# KiCad board LED_Matrix_Phone_Case.kicad_pcb (continued)
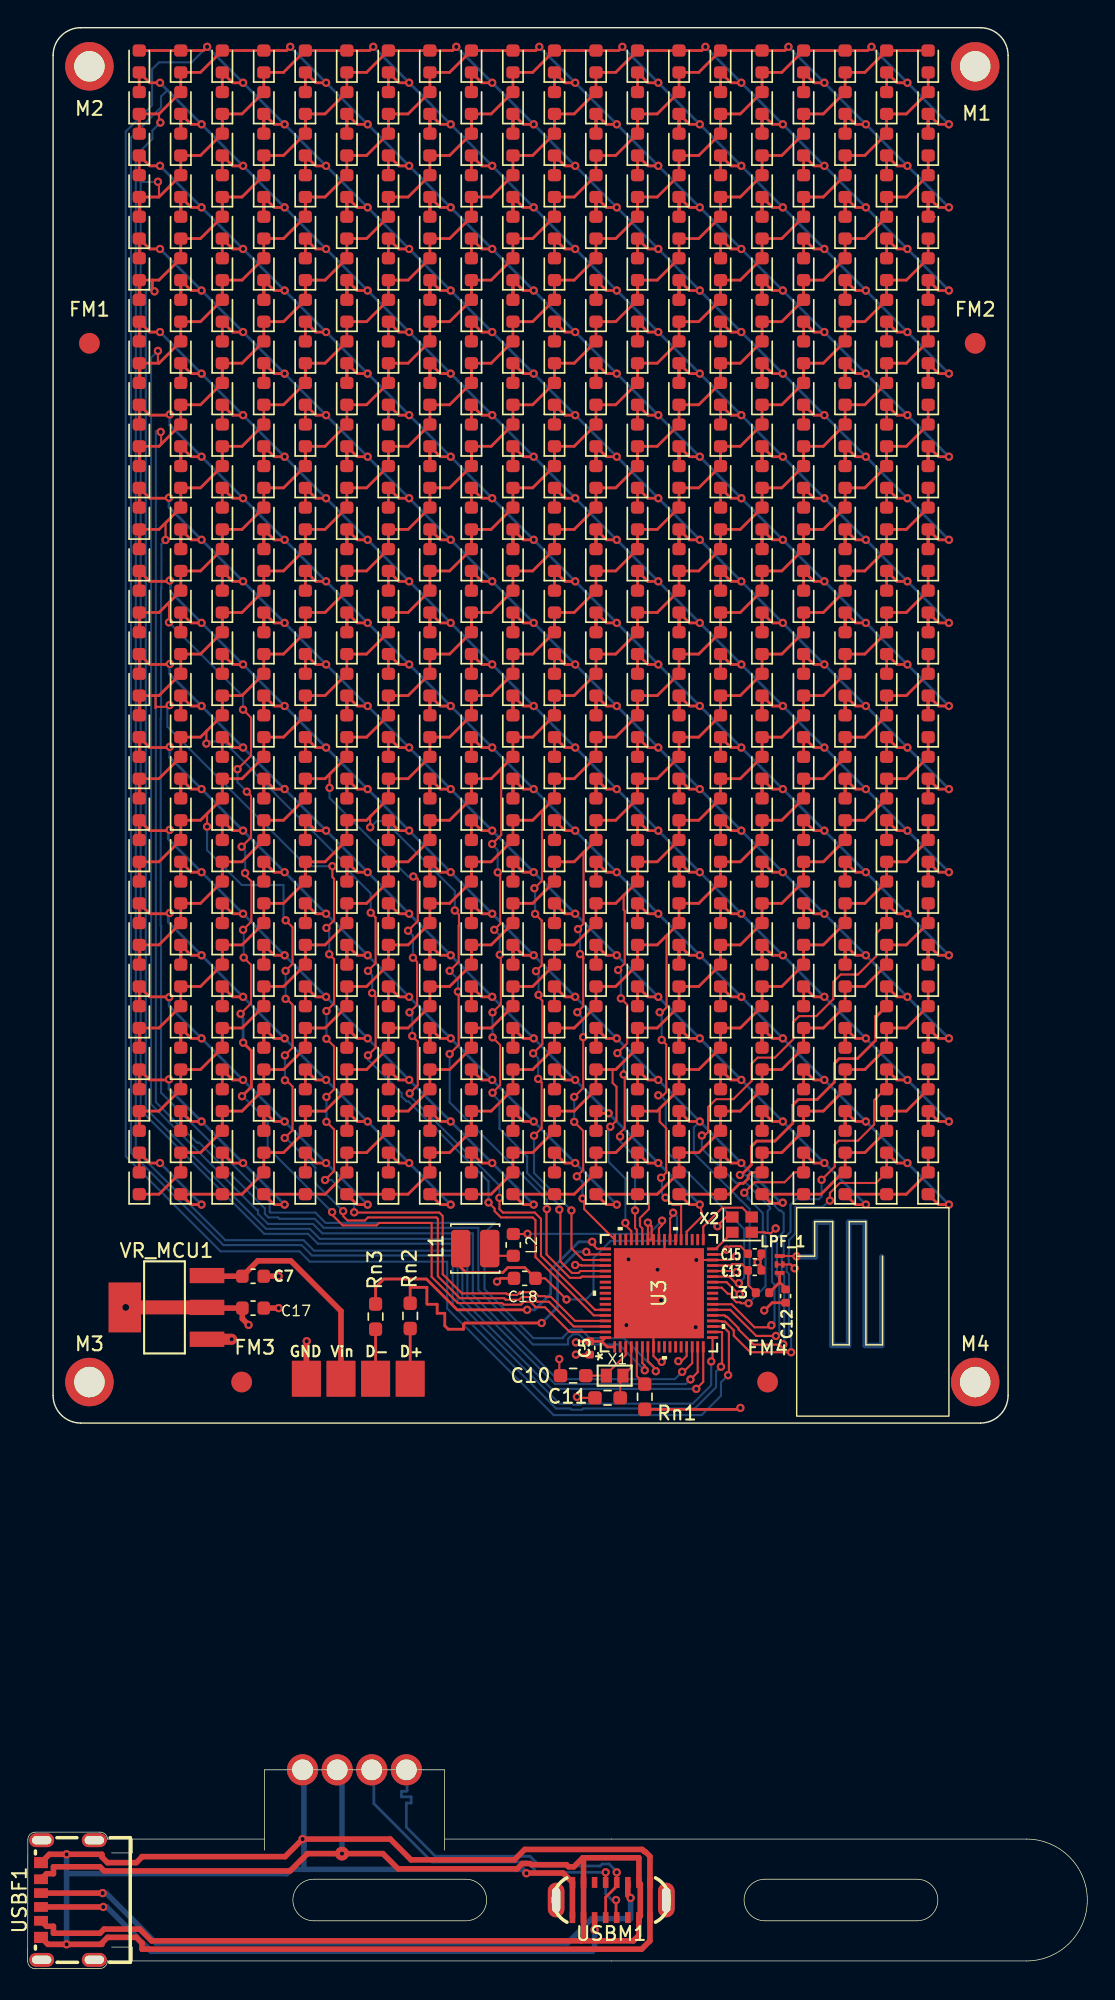
[diagram p0: board, top side]
## Placement (name value [footprint] x y rotation side) (continued)
REF**333  -  [D_0603_1608Metric]  26.06 86.71 90 top
REF**334  -  [D_0603_1608Metric]  29.06 86.71 90 top
REF**335  -  [D_0603_1608Metric]  26.06 89.71 90 top
REF**336  -  [D_0603_1608Metric]  29.06 89.71 90 top
REF**337  -  [D_0603_1608Metric]  32.06 86.71 90 top
REF**338  -  [D_0603_1608Metric]  35.06 86.71 90 top
REF**339  -  [D_0603_1608Metric]  32.06 89.71 90 top
REF**340  -  [D_0603_1608Metric]  35.06 89.71 90 top
REF**341  -  [D_0603_1608Metric]  38.06 86.71 90 top
REF**342  -  [D_0603_1608Metric]  41.06 86.71 90 top
REF**343  -  [D_0603_1608Metric]  38.06 89.71 90 top
REF**344  -  [D_0603_1608Metric]  41.06 89.71 90 top
REF**345  -  [D_0603_1608Metric]  44.06 86.71 90 top
REF**346  -  [D_0603_1608Metric]  47.06 86.71 90 top
REF**347  -  [D_0603_1608Metric]  44.06 89.71 90 top
REF**348  -  [D_0603_1608Metric]  47.06 89.71 90 top
REF**349  -  [D_0603_1608Metric]  50.06 86.71 90 top
REF**350  -  [D_0603_1608Metric]  53.06 86.71 90 top
REF**351  -  [D_0603_1608Metric]  50.06 89.71 90 top
REF**352  -  [D_0603_1608Metric]  53.06 89.71 90 top
REF**353  -  [D_0603_1608Metric]  56.06 86.71 90 top
REF**354  -  [D_0603_1608Metric]  59.06 86.71 90 top
REF**355  -  [D_0603_1608Metric]  56.06 89.71 90 top
REF**356  -  [D_0603_1608Metric]  59.06 89.71 90 top
REF**357  -  [D_0603_1608Metric]  62.06 86.71 90 top
REF**358  -  [D_0603_1608Metric]  65.06 86.71 90 top
REF**359  -  [D_0603_1608Metric]  62.06 89.71 90 top
REF**360  -  [D_0603_1608Metric]  65.06 89.71 90 top
REF**361  -  [D_0603_1608Metric]  8.06 80.71 90 top
REF**362  -  [D_0603_1608Metric]  11.06 80.71 90 top
REF**363  -  [D_0603_1608Metric]  8.06 83.71 90 top
REF**364  -  [D_0603_1608Metric]  11.06 83.71 90 top
REF**365  -  [D_0603_1608Metric]  14.06 80.71 90 top
REF**366  -  [D_0603_1608Metric]  17.06 80.71 90 top
REF**367  -  [D_0603_1608Metric]  14.06 83.71 90 top
REF**368  -  [D_0603_1608Metric]  17.06 83.71 90 top
REF**369  -  [D_0603_1608Metric]  20.06 80.71 90 top
REF**370  -  [D_0603_1608Metric]  23.06 80.71 90 top
REF**371  -  [D_0603_1608Metric]  20.06 83.71 90 top
REF**372  -  [D_0603_1608Metric]  23.06 83.71 90 top
REF**373  -  [D_0603_1608Metric]  26.06 80.71 90 top
REF**374  -  [D_0603_1608Metric]  29.06 80.71 90 top
REF**375  -  [D_0603_1608Metric]  26.06 83.71 90 top
REF**376  -  [D_0603_1608Metric]  29.06 83.71 90 top
REF**377  -  [D_0603_1608Metric]  32.06 80.71 90 top
REF**378  -  [D_0603_1608Metric]  35.06 80.71 90 top
REF**379  -  [D_0603_1608Metric]  32.06 83.71 90 top
REF**380  -  [D_0603_1608Metric]  35.06 83.71 90 top
REF**381  -  [D_0603_1608Metric]  38.06 80.71 90 top
REF**382  -  [D_0603_1608Metric]  41.06 80.71 90 top
REF**383  -  [D_0603_1608Metric]  38.06 83.71 90 top
REF**384  -  [D_0603_1608Metric]  41.06 83.71 90 top
REF**385  -  [D_0603_1608Metric]  44.06 80.71 90 top
REF**386  -  [D_0603_1608Metric]  47.06 80.71 90 top
REF**387  -  [D_0603_1608Metric]  44.06 83.71 90 top
REF**388  -  [D_0603_1608Metric]  47.06 83.71 90 top
REF**389  -  [D_0603_1608Metric]  50.06 80.71 90 top
REF**390  -  [D_0603_1608Metric]  53.06 80.71 90 top
REF**391  -  [D_0603_1608Metric]  50.06 83.71 90 top
REF**392  -  [D_0603_1608Metric]  53.06 83.71 90 top
REF**393  -  [D_0603_1608Metric]  56.06 80.71 90 top
REF**394  -  [D_0603_1608Metric]  59.06 80.71 90 top
REF**395  -  [D_0603_1608Metric]  56.06 83.71 90 top
REF**396  -  [D_0603_1608Metric]  59.06 83.71 90 top
REF**397  -  [D_0603_1608Metric]  62.06 80.71 90 top
REF**398  -  [D_0603_1608Metric]  65.06 80.71 90 top
REF**399  -  [D_0603_1608Metric]  62.06 83.71 90 top
REF**400  -  [D_0603_1608Metric]  65.06 83.71 90 top
REF**401  -  [D_0603_1608Metric]  8.06 74.71 90 top
REF**402  -  [D_0603_1608Metric]  11.06 74.71 90 top
REF**403  -  [D_0603_1608Metric]  8.06 77.71 90 top
REF**404  -  [D_0603_1608Metric]  11.06 77.71 90 top
REF**405  -  [D_0603_1608Metric]  14.06 74.71 90 top
REF**406  -  [D_0603_1608Metric]  17.06 74.71 90 top
REF**407  -  [D_0603_1608Metric]  14.06 77.71 90 top
REF**408  -  [D_0603_1608Metric]  17.06 77.71 90 top
REF**409  -  [D_0603_1608Metric]  20.06 74.71 90 top
REF**410  -  [D_0603_1608Metric]  23.06 74.71 90 top
REF**411  -  [D_0603_1608Metric]  20.06 77.71 90 top
REF**412  -  [D_0603_1608Metric]  23.06 77.71 90 top
REF**413  -  [D_0603_1608Metric]  26.06 74.71 90 top
REF**414  -  [D_0603_1608Metric]  29.06 74.71 90 top
REF**415  -  [D_0603_1608Metric]  26.06 77.71 90 top
REF**416  -  [D_0603_1608Metric]  29.06 77.71 90 top
REF**417  -  [D_0603_1608Metric]  32.06 74.71 90 top
REF**418  -  [D_0603_1608Metric]  35.06 74.71 90 top
REF**419  -  [D_0603_1608Metric]  32.06 77.71 90 top
REF**420  -  [D_0603_1608Metric]  35.06 77.71 90 top
REF**421  -  [D_0603_1608Metric]  38.06 74.71 90 top
REF**422  -  [D_0603_1608Metric]  41.06 74.71 90 top
REF**423  -  [D_0603_1608Metric]  38.06 77.71 90 top
REF**424  -  [D_0603_1608Metric]  41.06 77.71 90 top
REF**425  -  [D_0603_1608Metric]  44.06 74.71 90 top
REF**426  -  [D_0603_1608Metric]  47.06 74.71 90 top
REF**427  -  [D_0603_1608Metric]  44.06 77.71 90 top
REF**428  -  [D_0603_1608Metric]  47.06 77.71 90 top
REF**429  -  [D_0603_1608Metric]  50.06 74.71 90 top
REF**430  -  [D_0603_1608Metric]  53.06 74.71 90 top
REF**431  -  [D_0603_1608Metric]  50.06 77.71 90 top
REF**432  -  [D_0603_1608Metric]  53.06 77.71 90 top
REF**433  -  [D_0603_1608Metric]  56.06 74.71 90 top
REF**434  -  [D_0603_1608Metric]  59.06 74.71 90 top
REF**435  -  [D_0603_1608Metric]  56.06 77.71 90 top
REF**436  -  [D_0603_1608Metric]  59.06 77.71 90 top
REF**437  -  [D_0603_1608Metric]  62.06 74.71 90 top
REF**438  -  [D_0603_1608Metric]  65.06 74.71 90 top
REF**439  -  [D_0603_1608Metric]  62.06 77.71 90 top
REF**440  -  [D_0603_1608Metric]  65.06 77.71 90 top
REF**441  -  [D_0603_1608Metric]  8.06 68.71 90 top
REF**442  -  [D_0603_1608Metric]  11.06 68.71 90 top
REF**443  -  [D_0603_1608Metric]  8.06 71.71 90 top
REF**444  -  [D_0603_1608Metric]  11.06 71.71 90 top
REF**445  -  [D_0603_1608Metric]  14.06 68.71 90 top
REF**446  -  [D_0603_1608Metric]  17.06 68.71 90 top
REF**447  -  [D_0603_1608Metric]  14.06 71.71 90 top
REF**448  -  [D_0603_1608Metric]  17.06 71.71 90 top
REF**449  -  [D_0603_1608Metric]  20.06 68.71 90 top
REF**450  -  [D_0603_1608Metric]  23.06 68.71 90 top
REF**451  -  [D_0603_1608Metric]  20.06 71.71 90 top
REF**452  -  [D_0603_1608Metric]  23.06 71.71 90 top
REF**453  -  [D_0603_1608Metric]  26.06 68.71 90 top
REF**454  -  [D_0603_1608Metric]  29.06 68.71 90 top
REF**455  -  [D_0603_1608Metric]  26.06 71.71 90 top
REF**456  -  [D_0603_1608Metric]  29.06 71.71 90 top
REF**457  -  [D_0603_1608Metric]  32.06 68.71 90 top
REF**458  -  [D_0603_1608Metric]  35.06 68.71 90 top
REF**459  -  [D_0603_1608Metric]  32.06 71.71 90 top
REF**460  -  [D_0603_1608Metric]  35.06 71.71 90 top
REF**461  -  [D_0603_1608Metric]  38.06 68.71 90 top
REF**462  -  [D_0603_1608Metric]  41.06 68.71 90 top
REF**463  -  [D_0603_1608Metric]  38.06 71.71 90 top
REF**464  -  [D_0603_1608Metric]  41.06 71.71 90 top
REF**465  -  [D_0603_1608Metric]  44.06 68.71 90 top
REF**466  -  [D_0603_1608Metric]  47.06 68.71 90 top
REF**467  -  [D_0603_1608Metric]  44.06 71.71 90 top
REF**468  -  [D_0603_1608Metric]  47.06 71.71 90 top
REF**469  -  [D_0603_1608Metric]  50.06 68.71 90 top
REF**470  -  [D_0603_1608Metric]  53.06 68.71 90 top
REF**471  -  [D_0603_1608Metric]  50.06 71.71 90 top
REF**472  -  [D_0603_1608Metric]  53.06 71.71 90 top
REF**473  -  [D_0603_1608Metric]  56.06 68.71 90 top
REF**474  -  [D_0603_1608Metric]  59.06 68.71 90 top
REF**475  -  [D_0603_1608Metric]  56.06 71.71 90 top
REF**476  -  [D_0603_1608Metric]  59.06 71.71 90 top
REF**477  -  [D_0603_1608Metric]  62.06 68.71 90 top
REF**478  -  [D_0603_1608Metric]  65.06 68.71 90 top
REF**479  -  [D_0603_1608Metric]  62.06 71.71 90 top
REF**480  -  [D_0603_1608Metric]  65.06 71.71 90 top
REF**481  -  [D_0603_1608Metric]  8.06 62.71 90 top
REF**482  -  [D_0603_1608Metric]  11.06 62.71 90 top
REF**483  -  [D_0603_1608Metric]  8.06 65.71 90 top
REF**484  -  [D_0603_1608Metric]  11.06 65.71 90 top
REF**485  -  [D_0603_1608Metric]  14.06 62.71 90 top
REF**486  -  [D_0603_1608Metric]  17.06 62.71 90 top
REF**487  -  [D_0603_1608Metric]  14.06 65.71 90 top
REF**488  -  [D_0603_1608Metric]  17.06 65.71 90 top
REF**489  -  [D_0603_1608Metric]  20.06 62.71 90 top
REF**490  -  [D_0603_1608Metric]  23.06 62.71 90 top
REF**491  -  [D_0603_1608Metric]  20.06 65.71 90 top
REF**492  -  [D_0603_1608Metric]  23.06 65.71 90 top
REF**493  -  [D_0603_1608Metric]  26.06 62.71 90 top
REF**494  -  [D_0603_1608Metric]  29.06 62.71 90 top
REF**495  -  [D_0603_1608Metric]  26.06 65.71 90 top
REF**496  -  [D_0603_1608Metric]  29.06 65.71 90 top
REF**497  -  [D_0603_1608Metric]  32.06 62.71 90 top
REF**498  -  [D_0603_1608Metric]  35.06 62.71 90 top
REF**499  -  [D_0603_1608Metric]  32.06 65.71 90 top
REF**500  -  [D_0603_1608Metric]  35.06 65.71 90 top
REF**501  -  [D_0603_1608Metric]  38.06 62.71 90 top
REF**502  -  [D_0603_1608Metric]  41.06 62.71 90 top
REF**503  -  [D_0603_1608Metric]  38.06 65.71 90 top
REF**504  -  [D_0603_1608Metric]  41.06 65.71 90 top
REF**505  -  [D_0603_1608Metric]  44.06 62.71 90 top
REF**506  -  [D_0603_1608Metric]  47.06 62.71 90 top
REF**507  -  [D_0603_1608Metric]  44.06 65.71 90 top
REF**508  -  [D_0603_1608Metric]  47.06 65.71 90 top
REF**509  -  [D_0603_1608Metric]  50.06 62.71 90 top
REF**510  -  [D_0603_1608Metric]  53.06 62.71 90 top
REF**511  -  [D_0603_1608Metric]  50.06 65.71 90 top
REF**512  -  [D_0603_1608Metric]  53.06 65.71 90 top
REF**513  -  [D_0603_1608Metric]  56.06 62.71 90 top
REF**514  -  [D_0603_1608Metric]  59.06 62.71 90 top
REF**515  -  [D_0603_1608Metric]  56.06 65.71 90 top
REF**516  -  [D_0603_1608Metric]  59.06 65.71 90 top
REF**517  -  [D_0603_1608Metric]  62.06 62.71 90 top
REF**518  -  [D_0603_1608Metric]  65.06 62.71 90 top
REF**519  -  [D_0603_1608Metric]  62.06 65.71 90 top
REF**520  -  [D_0603_1608Metric]  65.06 65.71 90 top
REF**521  -  [D_0603_1608Metric]  8.06 56.71 90 top
REF**522  -  [D_0603_1608Metric]  11.06 56.71 90 top
REF**523  -  [D_0603_1608Metric]  8.06 59.71 90 top
REF**524  -  [D_0603_1608Metric]  11.06 59.71 90 top
REF**525  -  [D_0603_1608Metric]  14.06 56.71 90 top
REF**526  -  [D_0603_1608Metric]  17.06 56.71 90 top
REF**527  -  [D_0603_1608Metric]  14.06 59.71 90 top
REF**528  -  [D_0603_1608Metric]  17.06 59.71 90 top
REF**529  -  [D_0603_1608Metric]  20.06 56.71 90 top
REF**530  -  [D_0603_1608Metric]  23.06 56.71 90 top
REF**531  -  [D_0603_1608Metric]  20.06 59.71 90 top
REF**532  -  [D_0603_1608Metric]  23.06 59.71 90 top
REF**533  -  [D_0603_1608Metric]  26.06 56.71 90 top
REF**534  -  [D_0603_1608Metric]  29.06 56.71 90 top
REF**535  -  [D_0603_1608Metric]  26.06 59.71 90 top
REF**536  -  [D_0603_1608Metric]  29.06 59.71 90 top
REF**537  -  [D_0603_1608Metric]  32.06 56.71 90 top
REF**538  -  [D_0603_1608Metric]  35.06 56.71 90 top
REF**539  -  [D_0603_1608Metric]  32.06 59.71 90 top
REF**540  -  [D_0603_1608Metric]  35.06 59.71 90 top
REF**541  -  [D_0603_1608Metric]  38.06 56.71 90 top
REF**542  -  [D_0603_1608Metric]  41.06 56.71 90 top
REF**543  -  [D_0603_1608Metric]  38.06 59.71 90 top
REF**544  -  [D_0603_1608Metric]  41.06 59.71 90 top
REF**545  -  [D_0603_1608Metric]  44.06 56.71 90 top
REF**546  -  [D_0603_1608Metric]  47.06 56.71 90 top
REF**547  -  [D_0603_1608Metric]  44.06 59.71 90 top
REF**548  -  [D_0603_1608Metric]  47.06 59.71 90 top
REF**549  -  [D_0603_1608Metric]  50.06 56.71 90 top
REF**550  -  [D_0603_1608Metric]  53.06 56.71 90 top
REF**551  -  [D_0603_1608Metric]  50.06 59.71 90 top
REF**552  -  [D_0603_1608Metric]  53.06 59.71 90 top
REF**553  -  [D_0603_1608Metric]  56.06 56.71 90 top
REF**554  -  [D_0603_1608Metric]  59.06 56.71 90 top
REF**555  -  [D_0603_1608Metric]  56.06 59.71 90 top
REF**556  -  [D_0603_1608Metric]  59.06 59.71 90 top
REF**#2  -  [D_0603_1608Metric]  65.06 59.71 90 top
REF**#3  -  [D_0603_1608Metric]  62.06 59.71 90 top
REF**#4  -  [D_0603_1608Metric]  65.06 56.71 90 top
REF**#5  -  [D_0603_1608Metric]  62.06 56.71 90 top
Rn1  0.0Ω  [R_0603_1608Metric_Pad0.98x0.95mm_HandSolder]  44.59 41.3 90 top
Rn2  0.0Ω  [R_0603_1608Metric_Pad0.98x0.95mm_HandSolder]  27.64 47.14 90 top
Rn3  0.0Ω  [R_0603_1608Metric_Pad0.98x0.95mm_HandSolder]  25.14 47.09 90 top
U3  STM32WB55RGV6  [VFQFN68-8x8mm-L]  45.61 48.77 90 top
USBF1  ~  [TYPE-C-SMD_HANXIA_HX-TYPE-C-6P-SY]  2.89 4.96 90 top
USBM1  ~  [USB-C Male 918-118A2021Y40006]  42.16 4.96 180 top
VR_MCU1  ~  [SOT-223-3_L6.5-W3.4-P2.30-LS7.0-BR]  9.99 47.75 0 top
X1  32.768KHz  [CRYSTAL-SMD_L1.6-W1.0]  42.41 42.82 180 top
X2  32MHz  [Crystal_SMD_2016-4Pin_2.0x1.6mm]  51.61 53.72 0 top

## Library data of the parts
C5 C15 = -: Datasheet: https://jlcpcb.com/partdetail/1876-0402B103K500NT/C1524; Description: Unpolarized capacitor, small symbol; ki_fp_filters: C_*
C7 C17 C18 = -: Datasheet: https://jlcpcb.com/partdetail/2057-CL10A475KP8NNNC/C1705; Description: Unpolarized capacitor, small symbol; ki_fp_filters: C_*
C10 C11 = -: Datasheet: https://jlcpcb.com/partdetail/HKR_Hong_Kong_Resistors-RCT030RLF/C177335; Description: Unpolarized capacitor, small symbol; ki_fp_filters: C_*
C12 = -: Datasheet: https://jlcpcb.com/partdetail/MurataElectronics-GJM1555C1HR30WB01D/C76909; Description: Unpolarized capacitor; ki_fp_filters: C_*
C13 = -: Datasheet: https://jlcpcb.com/partdetail/41442-0402CG0R8C500NT/C40459; Description: Unpolarized capacitor; ki_fp_filters: C_*
FM1-FM4 = -: Description: Fiducial Marker; ki_fp_filters: Fiducial*
L1 = -: Datasheet: https://jlcpcb.com/partdetail/CENKER-CKCS3015_10uHM/C354566; Description: Inductor, small symbol; ki_fp_filters: Choke_* *Coil* Inductor_* L_*
L2 = -: Datasheet: https://jlcpcb.com/partdetail/Sunlord-SDCL1608C10NJTDF/C15666; Description: Inductor, small symbol; ki_fp_filters: Choke_* *Coil* Inductor_* L_*
L3 = -: Datasheet: https://jlcpcb.com/partdetail/Sunlord-SDCL1005C2N7STDF/C27123; Description: Inductor; ki_fp_filters: Choke_* *Coil* Inductor_* L_*
LPF_1 = -: Datasheet: DLF162500LT-5028A1; ki_fp_filters: DLF-4_1P6X0P8
M1-M4 = -: Description: Mounting Hole with connection; ki_fp_filters: MountingHole*Pad*
Rn1-Rn3 = -: Datasheet: https://jlcpcb.com/partdetail/HKR_Hong_Kong_Resistors-RCT030RLF/C177335; Description: Resistor, small US symbol; ki_fp_filters: R_*
U3 = -: Datasheet: https://www.st.com/resource/en/datasheet/stm32wb55cc.pdf; ki_fp_filters: VFQFN68-8x8mm VFQFN68-8x8mm-M VFQFN68-8x8mm-L
USBF1 = -: Datasheet: https://jlcpcb.com/partdetail/hanxia-HX_TYPE_C_6PSY/C5178531; Description: https://jlcpcb.com/partdetail/hanxia-HX_TYPE_C_6PSY/C5178531; Manufacturer Part: HX TYPE-C 6P SY; Manufacturer: hanxia(韩下); Supplier Part: C5178531; Supplier: LCSC; LCSC Part Name: Type-C 母 卧贴
USBM1 = -: Datasheet: https://jlcpcb.com/partdetail/383026-918118A2021Y40006/C399938; Description: https://jlcpcb.com/partdetail/383026-918118A2021Y40006/C399938
VR_MCU1 = -: Datasheet: https://jlcpcb.com/partdetail/265162-SSP1117_33V/C277892; Description: https://jlcpcb.com/partdetail/265162-SSP1117_33V/C277892 JLC PCB; Manufacturer Part: SSP1117-3.3V; Manufacturer: Siproin(上海矽朋); Supplier Part: C277892; Supplier: LCSC; LCSC Part Name: 输入20V 输出3.3V 1A
X1 = -: Datasheet: https://jlcpcb.com/partdetail/C5341288; Description: Two pin crystal, small symbol; ki_fp_filters: Crystal*
X2 = -: Datasheet: https://jlcpcb.com/partdetail/542682-7F32000E06UCG/C524691; Description: Four pin crystal, GND on pins 2 and 3, small symbol; ki_fp_filters: Crystal*

## Footprints (pads in the part's own frame, mm; a bottom-side part is the same pattern mirrored in y, then rotated)
C_0402_1005Metric
  rrect 0.56x0.62 smd: 1(-0.48,0) 2(0.48,0)
C_0603_1608Metric
  rrect 0.9x0.95 smd: 1(-0.775,0) 2(0.775,0)
CASTELLATED_HOLES_4X
  round 2.25 hole 1.5: 1(-3.75,0) 2(-1.25,0) 3(1.25,0) 4(3.75,0)
CRYSTAL-SMD_L1.6-W1.0
  rect 0.8x1 smd: 1(-0.6,0) 2(0.6,0)
Crystal_SMD_2016-4Pin_2.0x1.6mm
  rect 0.9x0.8 smd: 1(-0.7,-0.55) 2(0.7,-0.55) 3(0.7,0.55) 4(-0.7,0.55)
D_0603_1608Metric
  rrect 0.875x0.95 smd: 1(-0.787,0) 2(0.787,0)
Fiducial_1.5mm_Mask3mm
  round 1.5 smd: (0,0)
L_0402_1005Metric
  rrect 0.59x0.64 smd: 1(-0.485,0) 2(0.485,0)
L_0603_1608Metric
  rrect 0.875x0.95 smd: 1(-0.787,0) 2(0.787,0)
L_Cenker_CKCS3015
  rrect 1.4x2.7 smd: 1(-1.05,0) 2(1.05,0)
LowPassFilter_DLF-4_1P6X0P8
  rect 0.279x0.711 smd: 1(-0.61,0) 3(0.61,0)
  rect 0.457x0.254 smd: 2(0,0.229) 4(0,-0.229)
MountingHole_2.2mm_M2_ISO7380_Pad_TopBottom
  round 2.6 hole 2.2: 1(0,0)
  round 3.5 smd: 1(0,0)
  round 3.5 smd far side: 1(0,0)
R_0603_1608Metric_Pad0.98x0.95mm_HandSolder
  rrect 0.975x0.95 smd: 1(-0.912,0) 2(0.912,0)
SOT-223-3_L6.5-W3.4-P2.30-LS7.0-BR
  rect 2.5x1.1 smd: 1(2.97,-2.3) 2(2.97,0) 3(2.97,2.3)
  rect 2.34x3.6 smd: 4(-2.97,0)
TYPE-C-SMD_HANXIA_HX-TYPE-C-6P-SY
  oval 1x1.8 hole 0.6x1.4: 7(-4.32,1.875) 7(-4.32,-1.925) 7(4.32,1.875) 7(4.32,-1.925)
  rect 0.7x1 smd: A5(-0.5,1.925) A9(1.5,1.925) B5(0.5,1.925) B9(-1.5,1.925)
  rect 0.8x1 smd: A12(2.7,1.925) B12(-2.7,1.925)
USB-C Male 918-118A2021Y40006
  rect 0.4x0.79 smd: 1(2.8,1.27) 2(2,1.27) 3(1.2,1.27) 4(0.4,1.27) 5(-0.4,1.27) 6(-1.2,1.27) 7(-2,1.27) 8(-2.8,1.27) 9(-2.8,-1.27) 10(-2,-1.27) 11(-1.2,-1.27) 12(-0.4,-1.27) 13(0.4,-1.27) 14(1.2,-1.27) 15(2,-1.27) 16(2.8,-1.27)
  oval 1.2x2.5 hole 0.6x1.8: 17(3.98,0) 18(-3.98,0)
VFQFN68-8x8mm-L
  rect 0.813x0.203 smd: 1(-3.873,3.2) 2(-3.873,2.8) 3(-3.873,2.4) 4(-3.873,2) 5(-3.873,1.6) 6(-3.873,1.2) 7(-3.873,0.8) 8(-3.873,0.4) 9(-3.873,0) 10(-3.873,-0.4) 11(-3.873,-0.8) 12(-3.873,-1.2) 13(-3.873,-1.6) 14(-3.873,-2) 15(-3.873,-2.4) 16(-3.873,-2.8) 17(-3.873,-3.2) 35(3.873,-3.2) 36(3.873,-2.8) 37(3.873,-2.4) 38(3.873,-2) 39(3.873,-1.6) 40(3.873,-1.2) 41(3.873,-0.8) 42(3.873,-0.4) 43(3.873,0) 44(3.873,0.4) 45(3.873,0.8) 46(3.873,1.2) 47(3.873,1.6) 48(3.873,2) 49(3.873,2.4) 50(3.873,2.8) 51(3.873,3.2)
  rect 0.203x0.813 smd: 18(-3.2,-3.873) 19(-2.8,-3.873) 20(-2.4,-3.873) 21(-2,-3.873) 22(-1.6,-3.873) 23(-1.2,-3.873) 24(-0.8,-3.873) 25(-0.4,-3.873) 26(0,-3.873) 27(0.4,-3.873) 28(0.8,-3.873) 29(1.2,-3.873) 30(1.6,-3.873) 31(2,-3.873) 32(2.4,-3.873) 33(2.8,-3.873) 34(3.2,-3.873) 52(3.2,3.873) 53(2.8,3.873) 54(2.4,3.873) 55(2,3.873) 56(1.6,3.873) 57(1.2,3.873) 58(0.8,3.873) 59(0.4,3.873) 60(0,3.873) 61(-0.4,3.873) 62(-0.8,3.873) 63(-1.2,3.873) 64(-1.6,3.873) 65(-2,3.873) 66(-2.4,3.873) 67(-2.8,3.873) 68(-3.2,3.873)
  rect 6.502x6.502 smd: 69(0,0)

## Nets
/3.3V_PHONE: C5.1 C15.2 C17.1 Rn1.1 U3.1 U3.14 U3.30 U3.33 U3.44 U3.45 U3.55 U3.68 VR_MCU1.2 VR_MCU1.4
GND: C5.2 C7.2 C10.2 C11.2 C12.2 C13.2 C15.1 C17.2 C18.2 LPF_1.2 LPF_1.4 M1.1 M2.1 M3.1 M4.1 REF**.1 U3.8 U3.32 U3.42 U3.69 USBF1.A12 USBF1.B12 USBM1.1 USBM1.8 USBM1.9 USBM1.16 VR_MCU1.1 X2.2 X2.4
/ANTENNA: LPF_1.3
/CC1: USBF1.A5 USBM1.3
/CC2: USBF1.B5 USBM1.11
/HSE_IN: U3.35 X2.3
/HSE_OUT: U3.34 X2.1
/LSE_IN: C10.1 U3.3 X1.2
/LSE_OUT: C11.1 U3.4 X1.1
/Matching_Network: C12.1 L3.2 LPF_1.1
/RF1: C13.1 L3.1 U3.31
/SMPSFB: C18.1 L1.2 U3.41
/SMPSLX: L2.1 U3.43
/SMPSLXL: L1.1 L2.2
/USB_BOOT0: Rn1.2 U3.5
/USB_M_IN_5V: C7.1 REF**.2 USBF1.A9 USBF1.B9 USBM1.2 USBM1.7 USBM1.10 USBM1.15 VR_MCU1.3
LED_0: REF**13.1 REF**14.2 REF**16.1 REF**19.2 REF**20.2 REF**21.2 REF**22.1 REF**23.1 REF**49.1 REF**50.2 REF**52.1 REF**55.2 REF**64.2 REF**65.2 REF**66.1 REF**67.1 REF**85.1 REF**86.2 REF**88.1 REF**91.2 REF**108.2 REF**109.2 REF**110.1 REF**111.1 REF**121.1 REF**122.2 REF**124.1 REF**127.2 REF**152.2 REF**153.2 REF**154.1 REF**155.1 REF**163.2 REF**196.2 REF**197.2 REF**198.1 REF**199.1 REF**240.2 U3.15
LED_1: REF**9.1 REF**10.2 REF**12.1 REF**15.2 REF**16.2 REF**17.2 REF**18.1 REF**19.1 REF**45.1 REF**46.2 REF**48.1 REF**51.2 REF**60.2 REF**61.2 REF**62.1 REF**63.1 REF**81.1 REF**82.2 REF**84.1 REF**87.2 REF**104.2 REF**105.2 REF**106.1 REF**107.1 REF**123.2 REF**148.2 REF**149.2 REF**150.1 REF**151.1 REF**192.2 REF**193.2 REF**194.1 REF**195.1 REF**236.2 REF**237.2 REF**238.1 REF**239.1 REF**280.2 U3.16
LED_2: REF**5.1 REF**6.2 REF**8.1 REF**11.2 REF**12.2 REF**13.2 REF**14.1 REF**15.1 REF**41.1 REF**42.2 REF**44.1 REF**47.2 REF**56.2 REF**57.2 REF**58.1 REF**59.1 REF**83.2 REF**100.2 REF**101.2 REF**102.1 REF**103.1 REF**144.2 REF**145.2 REF**146.1 REF**147.1 REF**188.2 REF**189.2 REF**190.1 REF**191.1 REF**232.2 REF**233.2 REF**234.1 REF**235.1 REF**276.2 REF**277.2 REF**278.1 REF**279.1 REF**320.2 U3.17
LED_3: REF**1.1 REF**2.2 REF**4.1 REF**7.2 REF**8.2 REF**9.2 REF**10.1 REF**11.1 REF**43.2 REF**52.2 REF**53.2 REF**54.1 REF**55.1 REF**96.2 REF**97.2 REF**98.1 REF**99.1 REF**140.2 REF**141.2 REF**142.1 REF**143.1 REF**184.2 REF**185.2 REF**186.1 REF**187.1 REF**228.2 REF**229.2 REF**230.1 REF**231.1 REF**272.2 REF**273.2 REF**274.1 REF**275.1 REF**316.2 REF**317.2 REF**318.1 REF**319.1 REF**360.2 U3.18
LED_4: REF**1.2 REF**2.1 REF**3.1 REF**44.2 REF**45.2 REF**46.1 REF**47.1 REF**88.2 REF**89.2 REF**90.1 REF**91.1 REF**132.2 REF**133.2 REF**134.1 REF**135.1 REF**176.2 REF**177.2 REF**178.1 REF**179.1 REF**220.2 REF**221.2 REF**222.1 REF**223.1 REF**264.2 REF**265.2 REF**266.1 REF**267.1 REF**308.2 REF**309.2 REF**310.1 REF**311.1 REF**352.2 REF**353.2 REF**354.1 REF**355.1 REF**396.2 REF**397.2 REF**398.1 REF**399.1 REF**440.2 U3.19
LED_5: REF**3.2 REF**4.2 REF**5.2 REF**6.1 REF**7.1 REF**48.2 REF**49.2 REF**50.1 REF**51.1 REF**92.2 REF**93.2 REF**94.1 REF**95.1 REF**136.2 REF**137.2 REF**138.1 REF**139.1 REF**180.2 REF**181.2 REF**182.1 REF**183.1 REF**224.2 REF**225.2 REF**226.1 REF**227.1 REF**268.2 REF**269.2 REF**270.1 REF**271.1 REF**312.2 REF**313.2 REF**314.1 REF**315.1 REF**356.2 REF**357.2 REF**358.1 REF**359.1 REF**400.2 U3.20
LED_6: REF**161.2 REF**162.1 REF**163.1 REF**204.2 REF**205.2 REF**206.1 REF**207.1 REF**248.2 REF**249.2 REF**250.1 REF**251.1 REF**292.2 REF**293.2 REF**294.1 REF**295.1 REF**336.2 REF**337.2 REF**338.1 REF**339.1 REF**380.2 REF**381.2 REF**382.1 REF**383.1 REF**424.2 REF**425.2 REF**426.1 REF**427.1 REF**468.2 REF**469.2 REF**470.1 REF**471.1 REF**512.2 REF**513.2 REF**514.1 REF**515.1 REF**556.2 REF**#3.1 REF**#4.1 REF**#5.2 U3.21
LED_7: REF**121.2 REF**122.1 REF**123.1 REF**164.2 REF**165.2 REF**166.1 REF**167.1 REF**208.2 REF**209.2 REF**210.1 REF**211.1 REF**252.2 REF**253.2 REF**254.1 REF**255.1 REF**296.2 REF**297.2 REF**298.1 REF**299.1 REF**340.2 REF**341.2 REF**342.1 REF**343.1 REF**384.2 REF**385.2 REF**386.1 REF**387.1 REF**428.2 REF**429.2 REF**430.1 REF**431.1 REF**472.2 REF**473.2 REF**474.1 REF**475.1 REF**516.2 REF**517.2 REF**518.1 REF**519.1 REF**#2.2 U3.22
LED_8: REF**81.2 REF**82.1 REF**83.1 REF**124.2 REF**125.2 REF**126.1 REF**127.1 REF**168.2 REF**169.2 REF**170.1 REF**171.1 REF**212.2 REF**213.2 REF**214.1 REF**215.1 REF**256.2 REF**257.2 REF**258.1 REF**259.1 REF**300.2 REF**301.2 REF**302.1 REF**303.1 REF**344.2 REF**345.2 REF**346.1 REF**347.1 REF**388.2 REF**389.2 REF**390.1 REF**391.1 REF**432.2 REF**433.2 REF**434.1 REF**435.1 REF**476.2 REF**477.2 REF**478.1 REF**479.1 REF**520.2 U3.23
LED_9: REF**41.2 REF**42.1 REF**43.1 REF**84.2 REF**85.2 REF**86.1 REF**87.1 REF**128.2 REF**129.2 REF**130.1 REF**131.1 REF**172.2 REF**173.2 REF**174.1 REF**175.1 REF**216.2 REF**217.2 REF**218.1 REF**219.1 REF**260.2 REF**261.2 REF**262.1 REF**263.1 REF**304.2 REF**305.2 REF**306.1 REF**307.1 REF**348.2 REF**349.2 REF**350.1 REF**351.1 REF**392.2 REF**393.2 REF**394.1 REF**395.1 REF**436.2 REF**437.2 REF**438.1 REF**439.1 REF**480.2 U3.24
LED_10: REF**237.1 REF**238.2 REF**240.1 REF**273.1 REF**274.2 REF**276.1 REF**279.2 REF**309.1 REF**310.2 REF**312.1 REF**315.2 REF**345.1 REF**346.2 REF**348.1 REF**351.2 REF**381.1 REF**382.2 REF**384.1 REF**387.2 REF**417.1 REF**418.2 REF**420.1 REF**423.2 REF**453.1 REF**454.2 REF**456.1 REF**459.2 REF**489.1 REF**490.2 REF**492.1 REF**495.2 REF**521.2 REF**522.1 REF**523.1 REF**525.1 REF**526.2 REF**528.1 REF**531.2 U3.51
LED_11: REF**197.1 REF**198.2 REF**200.1 REF**233.1 REF**234.2 REF**236.1 REF**239.2 REF**269.1 REF**270.2 REF**272.1 REF**275.2 REF**305.1 REF**306.2 REF**308.1 REF**311.2 REF**341.1 REF**342.2 REF**344.1 REF**347.2 REF**377.1 REF**378.2 REF**380.1 REF**383.2 REF**413.1 REF**414.2 REF**416.1 REF**419.2 REF**449.1 REF**450.2 REF**452.1 REF**455.2 REF**485.1 REF**486.2 REF**488.1 REF**491.2 REF**521.1 REF**522.2 REF**524.1 REF**527.2 U3.54
LED_12: REF**157.1 REF**158.2 REF**160.1 REF**193.1 REF**194.2 REF**196.1 REF**199.2 REF**229.1 REF**230.2 REF**232.1 REF**235.2 REF**265.1 REF**266.2 REF**268.1 REF**271.2 REF**301.1 REF**302.2 REF**304.1 REF**307.2 REF**337.1 REF**338.2 REF**340.1 REF**343.2 REF**373.1 REF**374.2 REF**376.1 REF**379.2 REF**409.1 REF**410.2 REF**412.1 REF**415.2 REF**445.1 REF**446.2 REF**448.1 REF**451.2 REF**481.1 REF**482.2 REF**484.1 REF**487.2 REF**523.2 U3.56
LED_13: REF**117.1 REF**118.2 REF**120.1 REF**153.1 REF**154.2 REF**156.1 REF**159.2 REF**189.1 REF**190.2 REF**192.1 REF**195.2 REF**225.1 REF**226.2 REF**228.1 REF**231.2 REF**261.1 REF**262.2 REF**264.1 REF**267.2 REF**297.1 REF**298.2 REF**300.1 REF**303.2 REF**333.1 REF**334.2 REF**336.1 REF**339.2 REF**369.1 REF**370.2 REF**372.1 REF**375.2 REF**405.1 REF**406.2 REF**408.1 REF**411.2 REF**441.1 REF**442.2 REF**444.1 REF**447.2 REF**483.2 U3.57
LED_14: REF**281.2 REF**282.1 REF**283.1 REF**324.2 REF**325.2 REF**326.1 REF**327.1 REF**368.2 REF**369.2 REF**370.1 REF**371.1 REF**412.2 REF**413.2 REF**414.1 REF**415.1 REF**456.2 REF**457.2 REF**458.1 REF**459.1 REF**477.1 REF**478.2 REF**480.1 REF**500.2 REF**501.2 REF**502.1 REF**503.1 REF**513.1 REF**514.2 REF**516.1 REF**519.2 REF**544.2 REF**545.2 REF**546.1 REF**547.1 REF**549.1 REF**550.2 REF**552.1 REF**555.2 U3.38
LED_15: REF**361.2 REF**362.1 REF**363.1 REF**397.1 REF**398.2 REF**400.1 REF**404.2 REF**405.2 REF**406.1 REF**407.1 REF**433.1 REF**434.2 REF**436.1 REF**439.2 REF**448.2 REF**449.2 REF**450.1 REF**451.1 REF**469.1 REF**470.2 REF**472.1 REF**475.2 REF**492.2 REF**493.2 REF**494.1 REF**495.1 REF**505.1 REF**506.2 REF**508.1 REF**511.2 REF**536.2 REF**537.2 REF**538.1 REF**539.1 REF**541.1 REF**542.2 REF**544.1 REF**547.2 U3.39
LED_16: REF**201.2 REF**202.1 REF**203.1 REF**244.2 REF**245.2 REF**246.1 REF**247.1 REF**288.2 REF**289.2 REF**290.1 REF**291.1 REF**332.2 REF**333.2 REF**334.1 REF**335.1 REF**376.2 REF**377.2 REF**378.1 REF**379.1 REF**420.2 REF**421.2 REF**422.1 REF**423.1 REF**464.2 REF**465.2 REF**466.1 REF**467.1 REF**508.2 REF**509.2 REF**510.1 REF**511.1 REF**552.2 REF**553.2 REF**554.1 REF**555.1 REF**#2.1 REF**#4.2 REF**#5.1 U3.27
LED_17: REF**77.1 REF**78.2 REF**80.1 REF**113.1 REF**114.2 REF**116.1 REF**119.2 REF**149.1 REF**150.2 REF**152.1 REF**155.2 REF**185.1 REF**186.2 REF**188.1 REF**191.2 REF**221.1 REF**222.2 REF**224.1 REF**227.2 REF**257.1 REF**258.2 REF**260.1 REF**263.2 REF**293.1 REF**294.2 REF**296.1 REF**299.2 REF**329.1 REF**330.2 REF**332.1 REF**335.2 REF**365.1 REF**366.2 REF**368.1 REF**371.2 REF**401.1 REF**402.2 REF**404.1 REF**407.2 REF**443.2 U3.63
LED_18: REF**33.1 REF**34.2 REF**36.1 REF**39.2 REF**40.2 REF**69.1 REF**70.2 REF**72.1 REF**75.2 REF**105.1 REF**106.2 REF**108.1 REF**111.2 REF**141.1 REF**142.2 REF**144.1 REF**147.2 REF**177.1 REF**178.2 REF**180.1 REF**183.2 REF**213.1 REF**214.2 REF**216.1 REF**219.2 REF**249.1 REF**250.2 REF**252.1 REF**255.2 REF**285.1 REF**286.2 REF**288.1 REF**291.2 REF**321.1 REF**322.2 REF**324.1 REF**327.2 REF**363.2 U3.64
LED_19: REF**29.1 REF**30.2 REF**32.1 REF**35.2 REF**36.2 REF**37.2 REF**38.1 REF**39.1 REF**65.1 REF**66.2 REF**68.1 REF**71.2 REF**80.2 REF**101.1 REF**102.2 REF**104.1 REF**107.2 REF**137.1 REF**138.2 REF**140.1 REF**143.2 REF**173.1 REF**174.2 REF**176.1 REF**179.2 REF**209.1 REF**210.2 REF**212.1 REF**215.2 REF**245.1 REF**246.2 REF**248.1 REF**251.2 REF**281.1 REF**282.2 REF**284.1 REF**287.2 REF**323.2 U3.65
LED_20: REF**37.1 REF**38.2 REF**40.1 REF**73.1 REF**74.2 REF**76.1 REF**79.2 REF**109.1 REF**110.2 REF**112.1 REF**115.2 REF**145.1 REF**146.2 REF**148.1 REF**151.2 REF**181.1 REF**182.2 REF**184.1 REF**187.2 REF**217.1 REF**218.2 REF**220.1 REF**223.2 REF**253.1 REF**254.2 REF**256.1 REF**259.2 REF**289.1 REF**290.2 REF**292.1 REF**295.2 REF**325.1 REF**326.2 REF**328.1 REF**331.2 REF**361.1 REF**362.2 REF**364.1 REF**367.2 REF**403.2 U3.66
LED_21: REF**25.1 REF**26.2 REF**28.1 REF**31.2 REF**32.2 REF**33.2 REF**34.1 REF**35.1 REF**61.1 REF**62.2 REF**64.1 REF**67.2 REF**76.2 REF**77.2 REF**78.1 REF**79.1 REF**97.1 REF**98.2 REF**100.1 REF**103.2 REF**120.2 REF**133.1 REF**134.2 REF**136.1 REF**139.2 REF**169.1 REF**170.2 REF**172.1 REF**175.2 REF**205.1 REF**206.2 REF**208.1 REF**211.2 REF**241.1 REF**242.2 REF**244.1 REF**247.2 REF**283.2 U3.67
LED_22: REF**17.1 REF**18.2 REF**20.1 REF**23.2 REF**24.2 REF**25.2 REF**26.1 REF**27.1 REF**53.1 REF**54.2 REF**56.1 REF**59.2 REF**68.2 REF**69.2 REF**70.1 REF**71.1 REF**89.1 REF**90.2 REF**92.1 REF**95.2 REF**112.2 REF**113.2 REF**114.1 REF**115.1 REF**125.1 REF**126.2 REF**128.1 REF**131.2 REF**156.2 REF**157.2 REF**158.1 REF**159.1 REF**161.1 REF**162.2 REF**164.1 REF**167.2 REF**200.2 REF**203.2 U3.6
LED_23: REF**21.1 REF**22.2 REF**24.1 REF**27.2 REF**28.2 REF**29.2 REF**30.1 REF**31.1 REF**57.1 REF**58.2 REF**60.1 REF**63.2 REF**72.2 REF**73.2 REF**74.1 REF**75.1 REF**93.1 REF**94.2 REF**96.1 REF**99.2 REF**116.2 REF**117.2 REF**118.1 REF**119.1 REF**129.1 REF**130.2 REF**132.1 REF**135.2 REF**160.2 REF**165.1 REF**166.2 REF**168.1 REF**171.2 REF**201.1 REF**202.2 REF**204.1 REF**207.2 REF**243.2 U3.7
